# Allegro board buddy_lay_rev1.brd (continued)
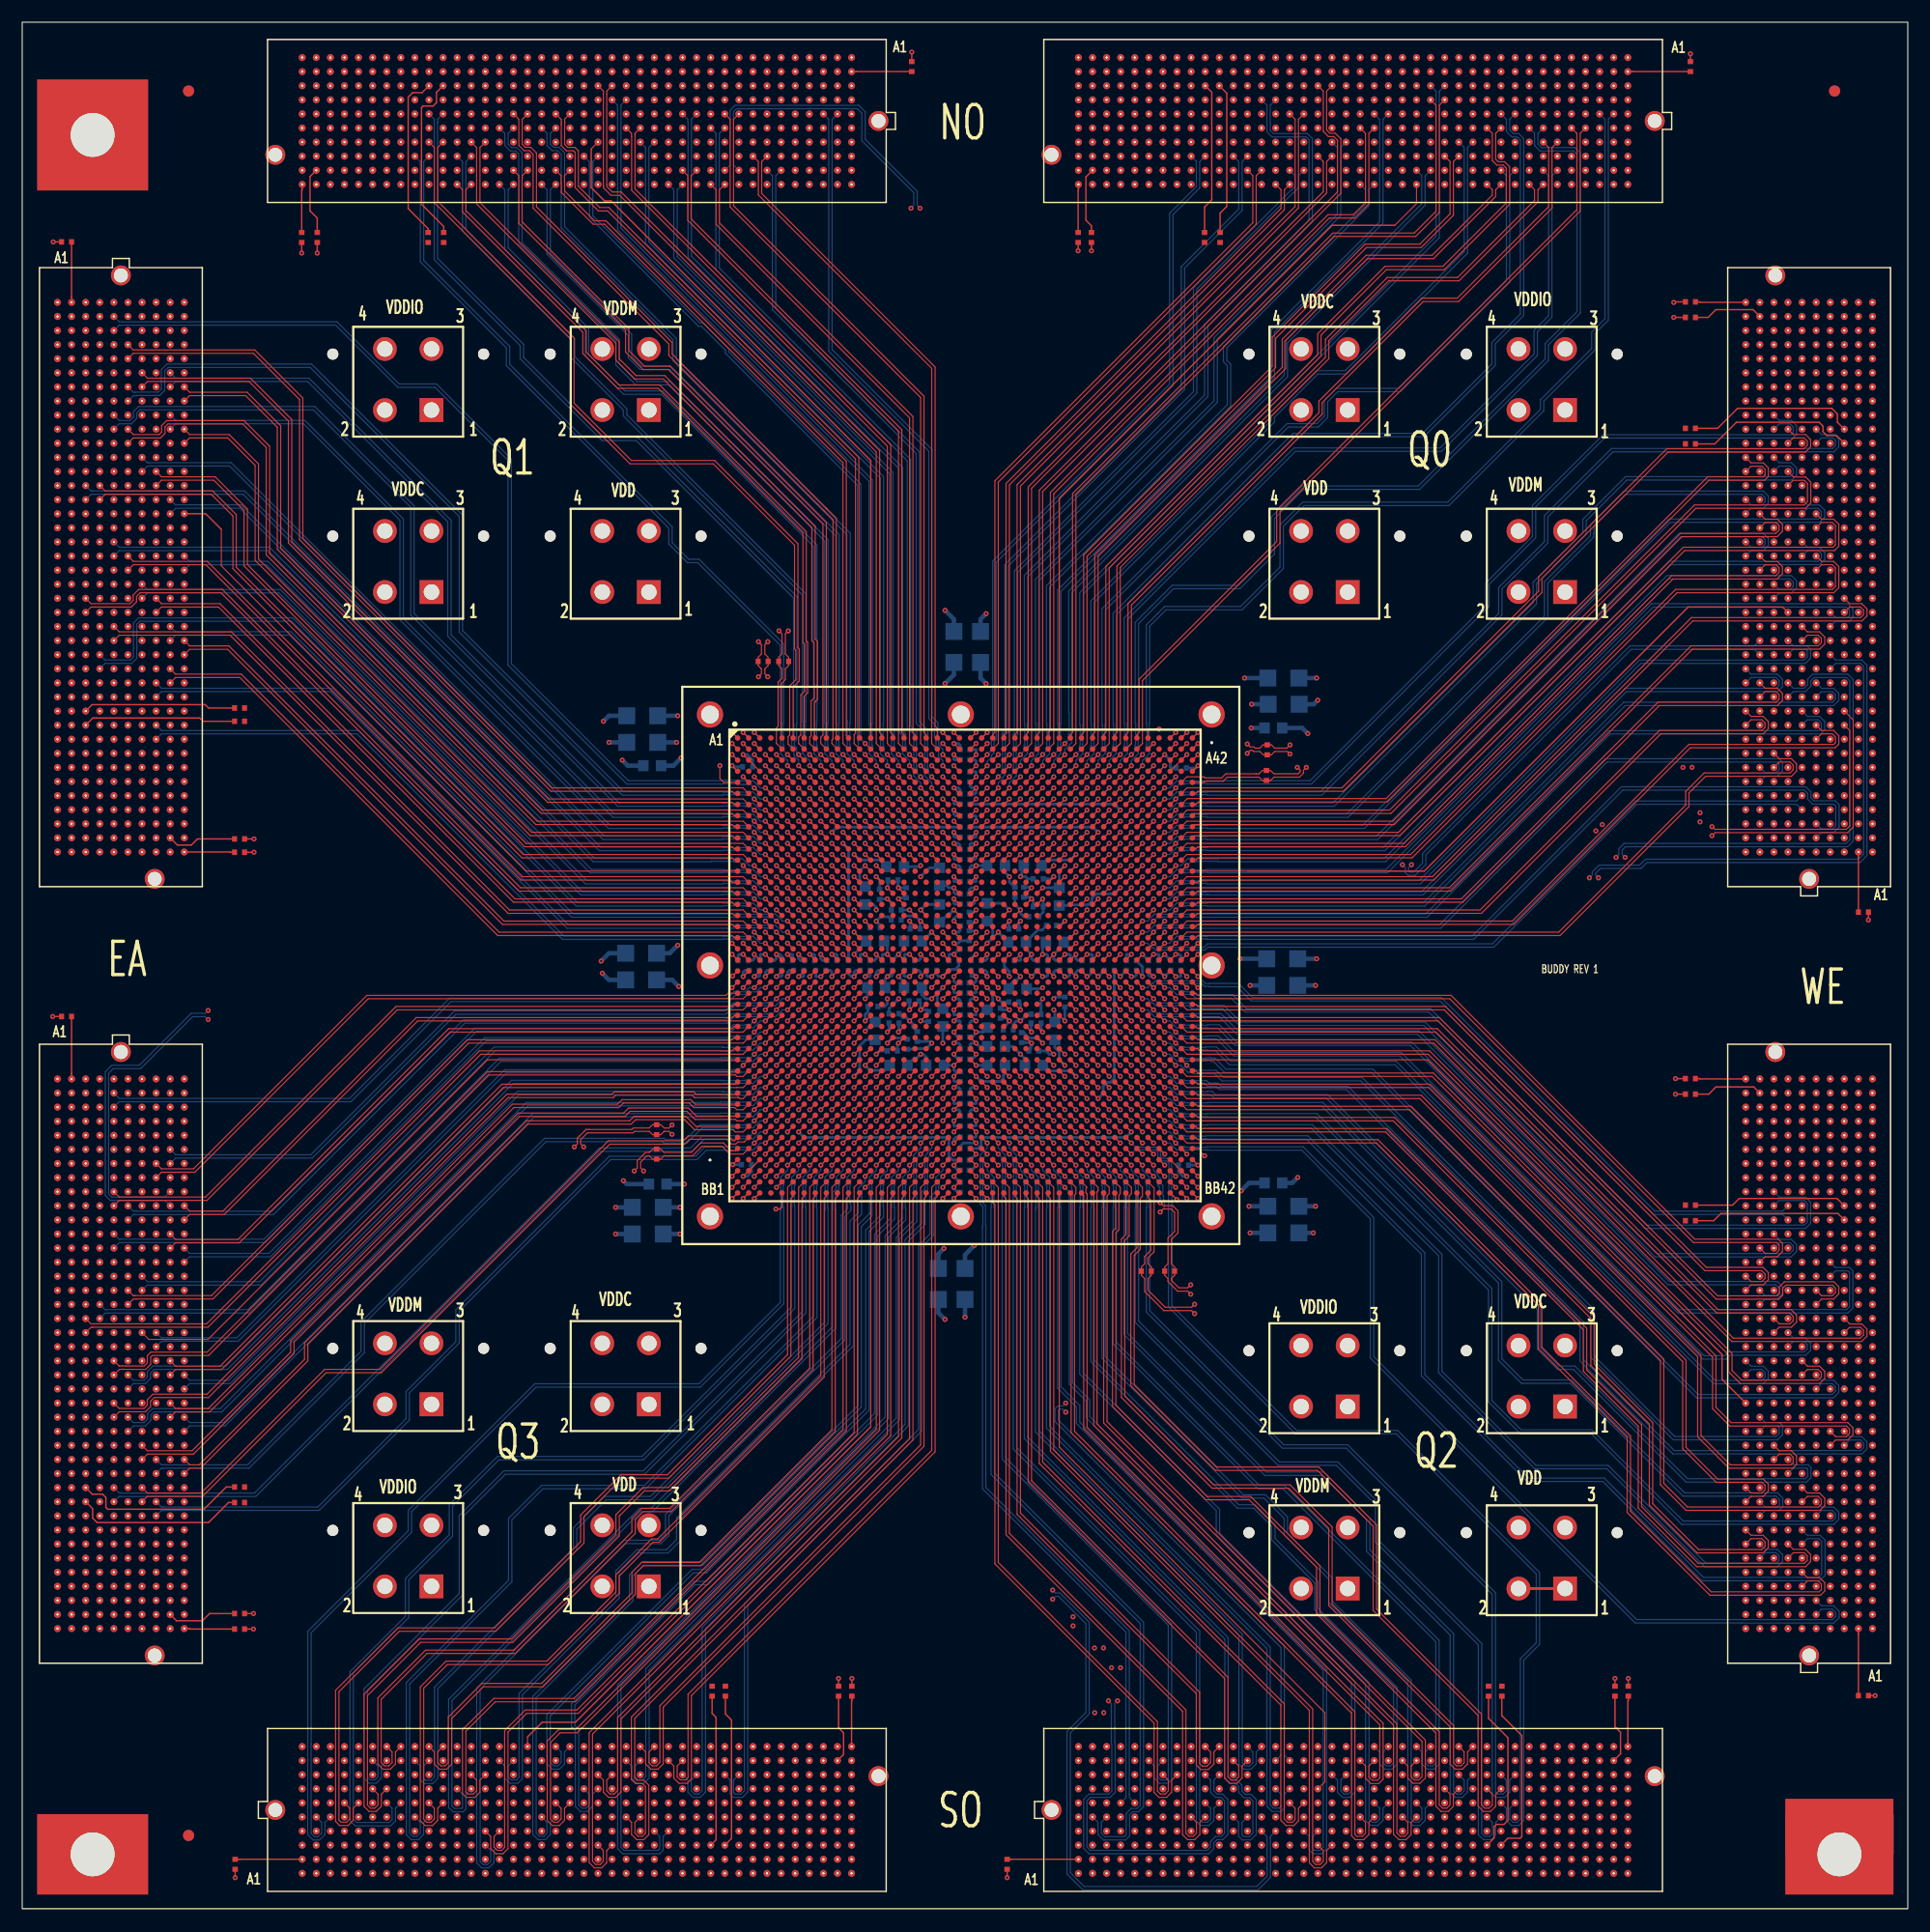
[diagram p0: board, top side]
## Routing (per net, layer and track width the routed paths; a pad name or vN(x,y) marks a point on that pad's centre or on a via; arc(x,y) is an arc through that point) (continued)
4.46,61.6 ; J7.B11 4.93,62.07 ; J7.B11 4.46,62.55 ; J2.B15 127.45,165.54 ; J2.B15 126.98,165.07 ; J2.B15 126.5,165.54 ; J2.B15 126.98,166.02 ; 4.46,73.03 J7.B2 ; J7.B2 4.46,73.98 ; J7.B2 3.98,73.5 ; J7.B2 4.93,73.5 ; J4.D3 163,28.26 ; J4.D3 163,27.31 ; J4.D3 163.48,27.78 ; J4.D3 162.53,27.78 ; 3.19,129.04 3.19,129.52 ; 3.19,129.52 2.71,129.52 ; 3.19,129.52 3.66,129.52 ; 3.19,129.52 3.19,129.99 ; J1.H21 49.85,157.93 ; J1.H21 49.37,158.4 ; J1.H21 49.37,157.45 ; J1.H21 48.9,157.93 ; J4.B34 165.54,67.63 ; J4.B34 166.02,67.15 ; J4.B34 165.54,66.68 ; J4.B34 165.07,67.15 ; 32.39,4.46 J6.B7 ; J6.B7 32.86,3.98 ; J6.B7 33.34,4.46 ; J6.B7 32.86,4.93 ; 50.64,9.06 J6.F21 ; J6.F21 51.12,9.54 ; J6.F21 50.17,9.54 ; J6.F21 50.64,10.01 ; J3.C20 164.75,119.36 ; J3.C20 164.28,118.88 ; J3.C20 163.8,119.36 ; J3.C20 164.28,119.83 ; J8.G40 10.8,95.7 ; J8.G40 10.33,95.23 ; J8.G40 10.8,94.75 ; J8.G40 11.28,95.23 ; 115.55,154.91 J2.K24 ; J2.K24 115.55,155.86 ; J2.K24 115.07,155.38 ; J2.K24 116.02,155.38 ; 64.61,163.8 J1.C9 ; J1.C9 64.61,164.75 ; J1.C9 65.09,164.28 ; J1.C9 64.14,164.28 ; 96.5,6.52 J5.D2 ; J5.D2 96.97,7 ; J5.D2 96.5,7.47 ; J5.D2 96.02,7 ; 48.9,166.81 J1.A21 ; J1.A21 49.85,166.81 ; J1.A21 49.37,167.29 ; J1.A21 49.37,166.34 ; 49.37,159.99 J1.F21 ; J1.F21 48.9,160.47 ; J1.F21 49.85,160.47 ; J1.F21 49.37,160.94 ; J4.H6 157.93,32.07 ; J4.H6 158.4,31.59 ; J4.H6 157.45,31.59 ; J4.H6 157.93,31.12 ; 5.72,44.29 6.2,44.29 ; 5.72,44.29 5.72,43.82 ; 5.72,44.29 5.72,44.77 ; 5.72,44.29 5.25,44.29 ; 8.27,65.88 8.74,65.88 ; 8.27,65.88 8.27,66.36 ; 8.27,65.88 7.79,65.88 ; 8.27,65.88 8.27,65.41 ; 118.88,155.38 J2.K21 ; J2.K21 119.83,155.38 ; J2.K21 119.36,155.86 ; J2.K21 119.36,154.91 ; 4.46,112.53 J8.B26 ; J8.B26 3.98,113.01 ; J8.B26 4.46,113.48 ; J8.B26 4.93,113.01 ; J1.B23 46.83,166.02 ; J1.B23 46.83,165.07 ; J1.B23 46.36,165.54 ; J1.B23 47.31,165.54 ; J4.C4 164.75,29.05 ; J4.C4 164.28,29.53 ; J4.C4 164.28,28.58 ; J4.C4 163.8,29.05 ; 64.14,13.35 J6.J32 ; J6.J32 64.61,12.87 ; J6.J32 64.61,13.82 ; J6.J32 65.09,13.35 ; J1.K2 73.5,155.86 ; J1.K2 73.98,155.38 ; J1.K2 73.03,155.38 ; J1.K2 73.5,154.91 ; 163,102.37 J3.D7 ; J3.D7 163.48,102.85 ; J3.D7 162.53,102.85 ; J3.D7 163,103.32 ; J6.H2 26.99,12.07 ; J6.H2 26.51,11.6 ; J6.H2 26.04,12.07 ; J6.H2 26.51,12.55 ; J7.D19 7,52.39 ; J7.D19 7,51.44 ; J7.D19 6.52,51.91 ; J7.D19 7.47,51.91 ; 164.28,71.76 J4.C38 ; J4.C38 164.75,72.23 ; J4.C38 164.28,72.71 ; J4.C38 163.8,72.23 ; 13.35,144.76 13.35,145.23 ; 13.35,144.76 12.87,144.76 ; 13.35,144.76 13.35,144.28 ; 13.35,144.76 13.82,144.76 ; 109.2,161.74 109.2,162.21 ; 109.2,161.74 109.67,161.74 ; 109.2,161.74 108.72,161.74 ; 109.2,161.74 109.2,161.26 ; 10.8,139.68 11.28,139.68 ; 10.8,139.68 10.8,140.15 ; 10.8,139.68 10.8,139.2 ; 10.8,139.68 10.33,139.68 ; 70.96,161.26 70.96,161.74 ; 70.96,161.74 70.96,162.21 ; 70.96,161.74 71.44,161.74 ; 70.96,161.74 70.49,161.74 ; 7,113.8 J8.D25 ; J8.D25 7.47,114.28 ; J8.D25 7,114.75 ; J8.D25 6.52,114.28 ; 44.29,5.72 44.77,5.72 ; 44.29,5.72 44.29,6.2 ; 44.29,5.72 44.29,5.25 ; 44.29,5.72 43.82,5.72 ; 164.28,108.72 J3.C12 ; J3.C12 163.8,109.2 ; J3.C12 164.75,109.2 ; J3.C12 164.28,109.67 ; J3.C29 164.28,131.26 ; J3.C29 164.28,130.31 ; J3.C29 163.8,130.79 ; J3.C29 164.75,130.79 ; 13.35,31.12 J7.J35 ; J7.J35 12.87,31.59 ; J7.J35 13.35,32.07 ; J7.J35 13.82,31.59 ; 55.25,166.81 J1.A16 ; J1.A16 55.72,166.34 ; J1.A16 56.2,166.81 ; J1.A16 55.72,167.29 ; 140.95,163.8 J2.C4 ; J2.C4 140.47,164.28 ; J2.C4 141.42,164.28 ; J2.C4 140.95,164.75 ; J7.E29 8.74,39.21 ; J7.E29 8.27,38.74 ; J7.E29 7.79,39.21 ; J7.E29 8.27,39.69 ; 46.83,161.26 46.83,161.74 ; 46.83,161.74 46.83,162.21 ; 46.83,161.74 46.36,161.74 ; 46.83,161.74 47.31,161.74 ; J4.D25 163,56.2 ; J4.D25 163.48,55.72 ; J4.D25 163,55.25 ; J4.D25 162.53,55.72 ; 26.51,159.99 J1.F39 ; J1.F39 26.04,160.47 ; J1.F39 26.51,160.94 ; J1.F39 26.99,160.47 ; 30.32,13.35 30.32,13.82 ; 30.32,13.35 30.8,13.35 ; 30.32,13.35 29.85,13.35 ; 30.32,13.35 30.32,12.87 ; 36.9,133.81 J9.1 ; J9.1 38.14,135.05 ; J9.1 36.9,136.29 ; J9.1 35.66,135.05 ; 165.54,71.76 J4.B38 ; J4.B38 166.02,72.23 ; J4.B38 165.07,72.23 ; J4.B38 165.54,72.71 ; J7.H39 12.55,26.51 ; J7.H39 12.07,26.04 ; J7.H39 11.6,26.51 ; J7.H39 12.07,26.99 ; 48.9,5.72 49.37,5.72 ; 49.37,5.72 49.37,5.25 ; 49.37,5.72 49.37,6.2 ; 49.37,5.72 49.85,5.72 ; J6.E32 65.09,8.27 ; J6.E32 64.14,8.27 ; J6.E32 64.61,8.74 ; J6.E32 64.61,7.79 ; 133.66,45.25 J22.2 ; J22.2 136.14,45.25 ; J22.2 134.9,46.49 ; J22.2 134.9,44.01 ; J6.B14 41.75,4.93 ; J6.B14 42.23,4.46 ; J6.B14 41.28,4.46 ; J6.B14 41.75,3.98 ; 40.01,163 J1.D28 ; J1.D28 40.96,163 ; J1.D28 40.48,163.48 ; J1.D28 40.48,162.53 ; 141.74,5.72 J5.C38 ; J5.C38 142.22,5.25 ; J5.C38 142.69,5.72 ; J5.C38 142.22,6.2 ; 58.26,161.74 58.74,161.74 ; 58.26,161.74 58.26,161.26 ; 58.26,161.74 58.26,162.21 ; 58.26,161.74 57.79,161.74 ; 126.5,160.47 J2.F15 ; J2.F15 127.45,160.47 ; J2.F15 126.98,159.99 ; J2.F15 126.98,160.94 ; J4.F12 160.94,39.21 ; J4.F12 159.99,39.21 ; J4.F12 160.47,39.69 ; J4.F12 160.47,38.74 ; J13.2 115.3,136.29 ; J13.2 116.54,135.05 ; J13.2 115.3,133.81 ; J13.2 114.06,135.05 ; J4.J20 157.13,49.37 ; J4.J20 156.66,49.85 ; J4.J20 156.66,48.9 ; J4.J20 156.18,49.37 ; J3.K3 155.86,97.77 ; J3.K3 155.38,97.29 ; J3.K3 155.38,98.24 ; J3.K3 154.91,97.77 ; 8.27,53.98 J7.E17 ; J7.E17 7.79,54.45 ; J7.E17 8.27,54.93 ; J7.E17 8.74,54.45 ; 2.71,49.37 3.19,49.37 ; 3.19,49.37 3.19,49.85 ; 3.19,49.37 3.66,49.37 ; 3.19,49.37 3.19,48.9 ; 105.39,14.14 J5.K9 ; J5.K9 104.91,14.62 ; J5.K9 105.86,14.62 ; J5.K9 105.39,15.09 ; 26.04,165.54 J1.B39 ; J1.B39 26.51,165.07 ; J1.B39 26.51,166.02 ; J1.B39 26.99,165.54 ; 128.25,11.6 J5.H27 ; J5.H27 128.25,12.55 ; J5.H27 127.77,12.07 ; J5.H27 128.72,12.07 ; 3.98,111.74 J8.B27 ; J8.B27 4.93,111.74 ; J8.B27 4.46,112.21 ; J8.B27 4.46,111.26 ; 157.93,101.1 J3.H6 ; J3.H6 157.45,101.58 ; J3.H6 157.93,102.05 ; J3.H6 158.4,101.58 ; 157.93,34.93 J4.H9 ; J4.H9 157.93,35.88 ; J4.H9 158.4,35.4 ; J4.H9 157.45,35.4 ; 95.23,2.71 95.23,3.19 ; 95.23,3.19 95.23,3.66 ; 95.23,3.19 95.7,3.19 ; 95.23,3.19 94.75,3.19 ; 60.8,7.79 J6.E29 ; J6.E29 60.33,8.27 ; J6.E29 61.28,8.27 ; J6.E29 60.8,8.74 ; 72.23,4.46 72.71,4.46 ; 72.23,4.46 72.23,3.98 ; 72.23,4.46 72.23,4.93 ; 72.23,4.46 71.76,4.46 ; 96.02,160.47 J2.F39 ; J2.F39 96.5,159.99 ; J2.F39 96.5,160.94 ; J2.F39 96.97,160.47 ; 13.35,74.77 13.82,74.77 ; 13.35,74.77 13.35,74.3 ; 13.35,74.77 12.87,74.77 ; 13.35,74.77 13.35,75.25 ; 62.07,156.18 J1.J11 ; J1.J11 62.55,156.66 ; J1.J11 61.6,156.66 ; J1.J11 62.07,157.13 ; 5.25,139.68 5.72,139.68 ; 5.72,139.68 5.72,140.15 ; 5.72,139.68 5.72,139.2 ; 5.72,139.68 6.2,139.68 ; J7.E38 8.74,27.78 ; J7.E38 7.79,27.78 ; J7.E38 8.27,27.31 ; J7.E38 8.27,28.26 ; J2.C9 134.6,164.75 ; J2.C9 134.6,163.8 ; J2.C9 134.12,164.28 ; J2.C9 135.07,164.28 ; J3.B2 166.02,96.5 ; J3.B2 165.07,96.5 ; J3.B2 165.54,96.97 ; J3.B2 165.54,96.02 ; 12.87,27.78 J7.J38 ; J7.J38 13.35,27.31 ; J7.J38 13.82,27.78 ; J7.J38 13.35,28.26 ; 5.72,120.15 5.72,120.63 ; 5.72,120.63 6.2,120.63 ; 5.72,120.63 5.25,120.63 ; 5.72,120.63 5.72,121.1 ; J8.J35 13.35,102.05 ; J8.J35 12.87,101.58 ; J8.J35 13.82,101.58 ; J8.J35 13.35,101.1 ; 10.8,69.22 10.8,69.69 ; 10.8,69.69 10.33,69.69 ; 10.8,69.69 10.8,70.17 ; 10.8,69.69 11.28,69.69 ; J1.J38 27.78,157.13 ; J1.J38 28.26,156.66 ; J1.J38 27.78,156.18 ; J1.J38 27.31,156.66 ; 104.12,163.8 J2.C33 ; J2.C33 104.12,164.75 ; J2.C33 103.64,164.28 ; J2.C33 104.59,164.28 ; J5.H33 135.87,12.55 ; J5.H33 135.87,11.6 ; J5.H33 136.34,12.07 ; J5.H33 135.39,12.07 ; J5.J26 127.45,13.35 ; J5.J26 126.98,13.82 ; J5.J26 126.5,13.35 ; J5.J26 126.98,12.87 ; 99.83,13.35 100.31,13.35 ; 100.31,13.35 100.31,13.82 ; 100.31,13.35 100.78,13.35 ; 100.31,13.35 100.31,12.87 ; J4.K18 155.38,47.31 ; J4.K18 155.38,46.36 ; J4.K18 154.91,46.83 ; J4.K18 155.86,46.83 ; 120.15,3.19 120.63,3.19 ; 120.63,3.19 121.1,3.19 ; 120.63,3.19 120.63,2.71 ; 120.63,3.19 120.63,3.66 ; J3.A5 166.81,100.78 ; J3.A5 167.29,100.31 ; J3.A5 166.81,99.83 ; J3.A5 166.34,100.31 ; 108.72,156.66 J2.J29 ; J2.J29 109.2,156.18 ; J2.J29 109.2,157.13 ; J2.J29 109.67,156.66 ; 131.58,9.54 132.06,9.54 ; 132.06,9.54 132.06,9.06 ; 132.06,9.54 132.06,10.01 ; 132.06,9.54 132.53,9.54 ; J1.K24 46.04,155.38 ; J1.K24 45.56,155.86 ; J1.K24 45.56,154.91 ; J1.K24 45.09,155.38 ; 138.41,4.46 138.88,4.46 ; 138.41,4.46 137.93,4.46 ; 138.41,4.46 138.41,4.93 ; 138.41,4.46 138.41,3.98 ; J4.F9 160.94,35.4 ; J4.F9 160.47,34.93 ; J4.F9 159.99,35.4 ; J4.F9 160.47,35.88 ; 3.19,60.33 3.19,60.8 ; 3.19,60.8 3.66,60.8 ; 3.19,60.8 2.71,60.8 ; 3.19,60.8 3.19,61.28 ; 52.3,117.41 J12.2 ; J12.2 53.54,118.65 ; J12.2 52.3,119.89 ; J12.2 51.06,118.65 ; J7.K6 15.09,68.42 ; J7.K6 14.62,67.95 ; J7.K6 14.62,68.9 ; J7.K6 14.14,68.42 ; J4.J38 157.13,72.23 ; J4.J38 156.66,72.71 ; J4.J38 156.66,71.76 ; J4.J38 156.18,72.23 ; J1.A24 46.04,166.81 ; J1.A24 45.56,167.29 ; J1.A24 45.56,166.34 ; J1.A24 45.09,166.81 ; 109.2,2.71 109.2,3.19 ; 109.2,3.19 108.72,3.19 ; 109.2,3.19 109.2,3.66 ; 109.2,3.19 109.67,3.19 ; 52.71,155.38 J1.K18 ; J1.K18 53.66,155.38 ; J1.K18 53.18,155.86 ; J1.K18 53.18,154.91 ; 104.12,5.72 104.12,6.2 ; 104.12,5.72 104.12,5.25 ; 104.12,5.72 104.59,5.72 ; 104.12,5.72 103.64,5.72 ; 64.14,155.38 J1.K9 ; J1.K9 65.09,155.38 ; J1.K9 64.61,154.91 ; J1.K9 64.61,155.86 ; 135.39,9.54 135.87,9.54 ; 135.87,9.54 135.87,9.06 ; 135.87,9.54 136.34,9.54 ; 135.87,9.54 135.87,10.01 ; 12.87,109.2 J8.J29 ; J8.J29 13.35,109.67 ; J8.J29 13.35,108.72 ; J8.J29 13.82,109.2 ; J2.K3 142.22,155.86 ; J2.K3 141.74,155.38 ; J2.K3 142.69,155.38 ; J2.K3 142.22,154.91 ; 165.07,31.59 J4.B6 ; J4.B6 165.54,32.07 ; J4.B6 165.54,31.12 ; J4.B6 166.02,31.59 ; 31.46,135.05 J9.2 ; J9.2 32.7,133.81 ; J9.2 32.7,136.29 ; J9.2 33.94,135.05 ; J4.F6 160.94,31.59 ; J4.F6 159.99,31.59 ; J4.F6 160.47,32.07 ; J4.F6 160.47,31.12 ; 3.19,134.12 3.19,134.6 ; 3.19,134.6 3.66,134.6 ; 3.19,134.6 2.71,134.6 ; 3.19,134.6 3.19,135.07 ; 5.72,109.2 6.2,109.2 ; 5.72,109.2 5.25,109.2 ; 5.72,109.2 5.72,108.72 ; 5.72,109.2 5.72,109.67 ; 156.66,28.58 J4.J4 ; J4.J4 156.18,29.05 ; J4.J4 157.13,29.05 ; J4.J4 156.66,29.53 ; 4.46,102.85 4.93,102.85 ; 4.46,102.85 4.46,102.37 ; 4.46,102.85 3.98,102.85 ; 4.46,102.85 4.46,103.32 ; 3.98,43.02 J7.B26 ; J7.B26 4.46,42.55 ; J7.B26 4.93,43.02 ; J7.B26 4.46,43.5 ; J5.G32 134.6,11.28 ; J5.G32 134.12,10.8 ; J5.G32 134.6,10.33 ; J5.G32 135.07,10.8 ; 10.33,120.63 J8.G20 ; J8.G20 10.8,121.1 ; J8.G20 10.8,120.15 ; J8.G20 11.28,120.63 ; J8.J23 13.35,117.29 ; J8.J23 12.87,116.82 ; J8.J23 13.82,116.82 ; J8.J23 13.35,116.34 ; 14.62,29.85 14.62,30.32 ; 14.62,30.32 15.09,30.32 ; 14.62,30.32 14.14,30.32 ; 14.62,30.32 14.62,30.8 ; 154.91,116.82 J3.K18 ; J3.K18 155.38,117.29 ; J3.K18 155.86,116.82 ; J3.K18 155.38,116.34 ; 56.52,8.27 J6.E26 ; J6.E26 57.47,8.27 ; J6.E26 56.99,8.74 ; J6.E26 56.99,7.79 ; 116.82,165.07 J2.B23 ; J2.B23 116.34,165.54 ; J2.B23 116.82,166.02 ; J2.B23 117.29,165.54 ; 14.62,103.64 14.62,104.12 ; 14.62,104.12 14.62,104.59 ; 14.62,104.12 15.09,104.12 ; 14.62,104.12 14.14,104.12 ; J1.H33 34.61,157.93 ; J1.H33 33.66,157.93 ; J1.H33 34.13,158.4 ; J1.H33 34.13,157.45 ; J3.K27 155.38,128.72 ; J3.K27 154.91,128.25 ; J3.K27 155.86,128.25 ; J3.K27 155.38,127.77 ; 132.06,161.74 132.53,161.74 ; 132.06,161.74 132.06,162.21 ; 132.06,161.74 132.06,161.26 ; 132.06,161.74 131.58,161.74 ; 5.72,50.64 6.2,50.64 ; 5.72,50.64 5.72,51.12 ; 5.72,50.64 5.72,50.17 ; 5.72,50.64 5.25,50.64 ; J2.K36 100.78,155.38 ; J2.K36 100.31,155.86 ; J2.K36 99.83,155.38 ; J2.K36 100.31,154.91 ; 2.71,74.77 3.19,74.77 ; 3.19,74.77 3.19,74.3 ; 3.19,74.77 3.19,75.25 ; 3.19,74.77 3.66,74.77 ; 11.6,104.12 J8.H33 ; J8.H33 12.55,104.12 ; J8.H33 12.07,103.64 ; J8.H33 12.07,104.59 ; 9.54,37.47 J7.F30 ; J7.F30 9.54,38.42 ; J7.F30 9.06,37.94 ; J7.F30 10.01,37.94 ; J8.F21 10.01,119.36 ; J8.F21 9.54,118.88 ; J8.F21 9.54,119.83 ; J8.F21 9.06,119.36 ; 6.52,142.22 J8.D3 ; J8.D3 7,141.74 ; J8.D3 7.47,142.22 ; J8.D3 7,142.69 ; 3.98,31.59 4.46,31.59 ; 4.46,31.59 4.93,31.59 ; 4.46,31.59 4.46,31.12 ; 4.46,31.59 4.46,32.07 ; 30.32,154.91 J1.K36 ; J1.K36 30.8,155.38 ; J1.K36 30.32,155.86 ; J1.K36 29.85,155.38 ; J6.F9 35.4,10.01 ; J6.F9 35.4,9.06 ; J6.F9 35.88,9.54 ; J6.F9 34.93,9.54 ; J4.H12 157.93,39.69 ; J4.H12 157.93,38.74 ; J4.H12 157.45,39.21 ; J4.H12 158.4,39.21 ; J8.B19 4.93,121.9 ; J8.B19 4.46,122.37 ; J8.B19 4.46,121.42 ; J8.B19 3.98,121.9 ; 3.19,29.85 J7.A36 ; J7.A36 2.71,30.32 ; J7.A36 3.19,30.8 ; J7.A36 3.66,30.32 ; J4.G4 159.19,29.53 ; J4.G4 158.72,29.05 ; J4.G4 159.19,28.58 ; J4.G4 159.67,29.05 ; J5.B18 116.82,4.93 ; J5.B18 116.34,4.46 ; J5.B18 117.29,4.46 ; J5.B18 116.82,3.98 ; 9.54,33.66 9.54,34.13 ; 9.54,34.13 9.06,34.13 ; 9.54,34.13 9.54,34.61 ; 9.54,34.13 10.01,34.13 ; J8.H3 12.55,142.22 ; J8.H3 11.6,142.22 ; J8.H3 12.07,142.69 ; J8.H3 12.07,141.74 ; J4.J40 156.66,75.25 ; J4.J40 157.13,74.77 ; J4.J40 156.66,74.3 ; J4.J40 156.18,74.77 ; J2.K6 138.41,155.86 ; J2.K6 137.93,155.38 ; J2.K6 138.88,155.38 ; J2.K6 138.41,154.91 ; J4.G40 159.67,74.77 ; J4.G40 159.19,74.3 ; J4.G40 159.19,75.25 ; J4.G40 158.72,74.77 ; 2.71,59.53 3.19,59.53 ; 3.19,59.53 3.19,60.01 ; 3.19,59.53 3.19,59.06 ; 3.19,59.53 3.66,59.53 ; 102.85,3.98 J5.B7 ; J5.B7 103.32,4.46 ; J5.B7 102.85,4.93 ; J5.B7 102.37,4.46 ; J4.A9 167.29,35.4 ; J4.A9 166.34,35.4 ; J4.A9 166.81,35.88 ; J4.A9 166.81,34.93 ; J5.K24 124.44,15.09 ; J5.K24 124.44,14.14 ; J5.K24 124.91,14.62 ; J5.K24 123.96,14.62 ; 73.5,6.52 73.5,7 ; 73.5,7 73.98,7 ; 73.5,7 73.03,7 ; 73.5,7 73.5,7.47 ; 128.25,165.07 J2.B14 ; J2.B14 128.72,165.54 ; J2.B14 127.77,165.54 ; J2.B14 128.25,166.02 ; 43.02,161.74 43.02,162.21 ; 43.02,161.74 42.55,161.74 ; 43.02,161.74 43.02,161.26 ; 43.02,161.74 43.5,161.74 ; J1.A20 50.64,167.29 ; J1.A20 50.64,166.34 ; J1.A20 51.12,166.81 ; J1.A20 50.17,166.81 ; J8.A36 3.19,100.78 ; J8.A36 3.66,100.31 ; J8.A36 3.19,99.83 ; J8.A36 2.71,100.31 ; 100.31,166.34 J2.A36 ; J2.A36 100.31,167.29 ; J2.A36 100.78,166.81 ; J2.A36 99.83,166.81 ; 27.78,161.74 28.26,161.74 ; 27.78,161.74 27.78,162.21 ; 27.78,161.74 27.31,161.74 ; 27.78,161.74 27.78,161.26 ; 126.98,154.91 J2.K15 ; J2.K15 127.45,155.38 ; J2.K15 126.98,155.86 ; J2.K15 126.5,155.38 ; J8.H27 12.07,112.21 ; J8.H27 12.55,111.74 ; J8.H27 11.6,111.74 ; J8.H27 12.07,111.26 ; 163,97.29 J3.D3 ; J3.D3 163.48,97.77 ; J3.D3 163,98.24 ; J3.D3 162.53,97.77 ; J8.B31 4.46,107.13 ; J8.B31 4.93,106.66 ; J8.B31 4.46,106.18 ; J8.B31 3.98,106.66 ; J7.B27 4.93,41.75 ; J7.B27 4.46,42.23 ; J7.B27 3.98,41.75 ; J7.B27 4.46,41.28 ; 118.88,10.8 J5.G20 ; J5.G20 119.36,11.28 ; J5.G20 119.36,10.33 ; J5.G20 119.83,10.8 ; J8.D19 7.47,121.9 ; J8.D19 7,122.37 ; J8.D19 6.52,121.9 ; J8.D19 7,121.42 ; 130.31,166.81 J2.A12 ; J2.A12 130.79,166.34 ; J2.A12 130.79,167.29 ; J2.A12 131.26,166.81 ; 58.26,11.6 J6.H27 ; J6.H27 58.26,12.55 ; J6.H27 58.74,12.07 ; J6.H27 57.79,12.07 ; 65.88,161.26 65.88,161.74 ; 65.88,161.74 66.36,161.74 ; 65.88,161.74 65.41,161.74 ; 65.88,161.74 65.88,162.21 ; 47.63,4.46 J6.B19 ; J6.B19 48.1,4.93 ; J6.B19 48.58,4.46 ; J6.B19 48.1,3.98 ; J3.K24 155.86,124.44 ; J3.K24 155.38,124.91 ; J3.K24 154.91,124.44 ; J3.K24 155.38,123.96 ; J6.J40 74.77,13.82 ; J6.J40 74.3,13.35 ; J6.J40 75.25,13.35 ; J6.J40 74.77,12.87 ; J6.B10 36.67,4.93 ; J6.B10 36.67,3.98 ; J6.B10 36.2,4.46 ; J6.B10 37.15,4.46 ; J24.2 136.14,28.85 ; J24.2 133.66,28.85 ; J24.2 134.9,30.09 ; J24.2 134.9,27.61 ; J7.B7 4.93,67.15 ; J7.B7 4.46,66.68 ; J7.B7 3.98,67.15 ; J7.B7 4.46,67.63 ; J7.F12 10.01,60.8 ; J7.F12 9.06,60.8 ; J7.F12 9.54,60.33 ; J7.F12 9.54,61.28 ; 55.72,163.8 J1.C16 ; J1.C16 56.2,164.28 ; J1.C16 55.25,164.28 ; J1.C16 55.72,164.75 ; J2.H18 123.64,157.93 ; J2.H18 122.69,157.93 ; J2.H18 123.17,157.45 ; J2.H18 123.17,158.4 ; J2.C36 100.31,164.75 ; J2.C36 100.78,164.28 ; J2.C36 99.83,164.28 ; J2.C36 100.31,163.8 ; 162.53,140.95 J3.D37 ; J3.D37 163.48,140.95 ; J3.D37 163,141.42 ; J3.D37 163,140.47 ; 99.04,8.27 99.51,8.27 ; 99.04,8.27 98.56,8.27 ; 99.04,8.27 99.04,7.79 ; 99.04,8.27 99.04,8.74 ; J5.B23 123.17,4.93 ; J5.B23 123.17,3.98 ; J5.B23 123.64,4.46 ; J5.B23 122.69,4.46 ; 129.52,163.8 J2.C13 ; J2.C13 129.04,164.28 ; J2.C13 129.52,164.75 ; J2.C13 129.99,164.28 ; J6.C36 69.69,6.2 ; J6.C36 69.69,5.25 ; J6.C36 70.17,5.72 ; J6.C36 69.22,5.72 ; 67.15,3.98 67.15,4.46 ; 67.15,4.46 67.15,4.93 ; 67.15,4.46 67.63,4.46 ; 67.15,4.46 66.68,4.46 ; J2.H2 143.96,157.93 ; J2.H2 143.49,157.45 ; J2.H2 143.49,158.4 ; J2.H2 143.01,157.93 ; 124.44,158.72 J2.G17 ; J2.G17 123.96,159.19 ; J2.G17 124.91,159.19 ; J2.G17 124.44,159.67 ; J3.H3 157.93,98.24 ; J3.H3 158.4,97.77 ; J3.H3 157.45,97.77 ; J3.H3 157.93,97.29 ; J7.K2 15.09,73.5 ; J7.K2 14.62,73.03 ; J7.K2 14.14,73.5 ; J7.K2 14.62,73.98 ; J1.J23 47.31,156.66 ; J1.J23 46.36,156.66 ; J1.J23 46.83,157.13 ; J1.J23 46.83,156.18